# Altium PCB mantarray_beta2_sensor_arrayed.PcbDoc (part 7 of 14)
Units mil, origin at the board's own origin, x right, y up, seen from the top; angles counter-clockwise.
Board outline 6232.47 x 10167.51 mil, 8 copper layers (Layer1_Top, Layer2_sig1, Layer3_AVDD_PLANE, Layer4_GND_PLANE, Layer5_DVDD_PLANE, Layer6_BUS, Layer7_sig2, Layer8_BOT), stack 50.224 mil thick; 470 components, 492 nets, 4650 pads, 3798 vias.
Unrouted connection lines stored in the file: 3.
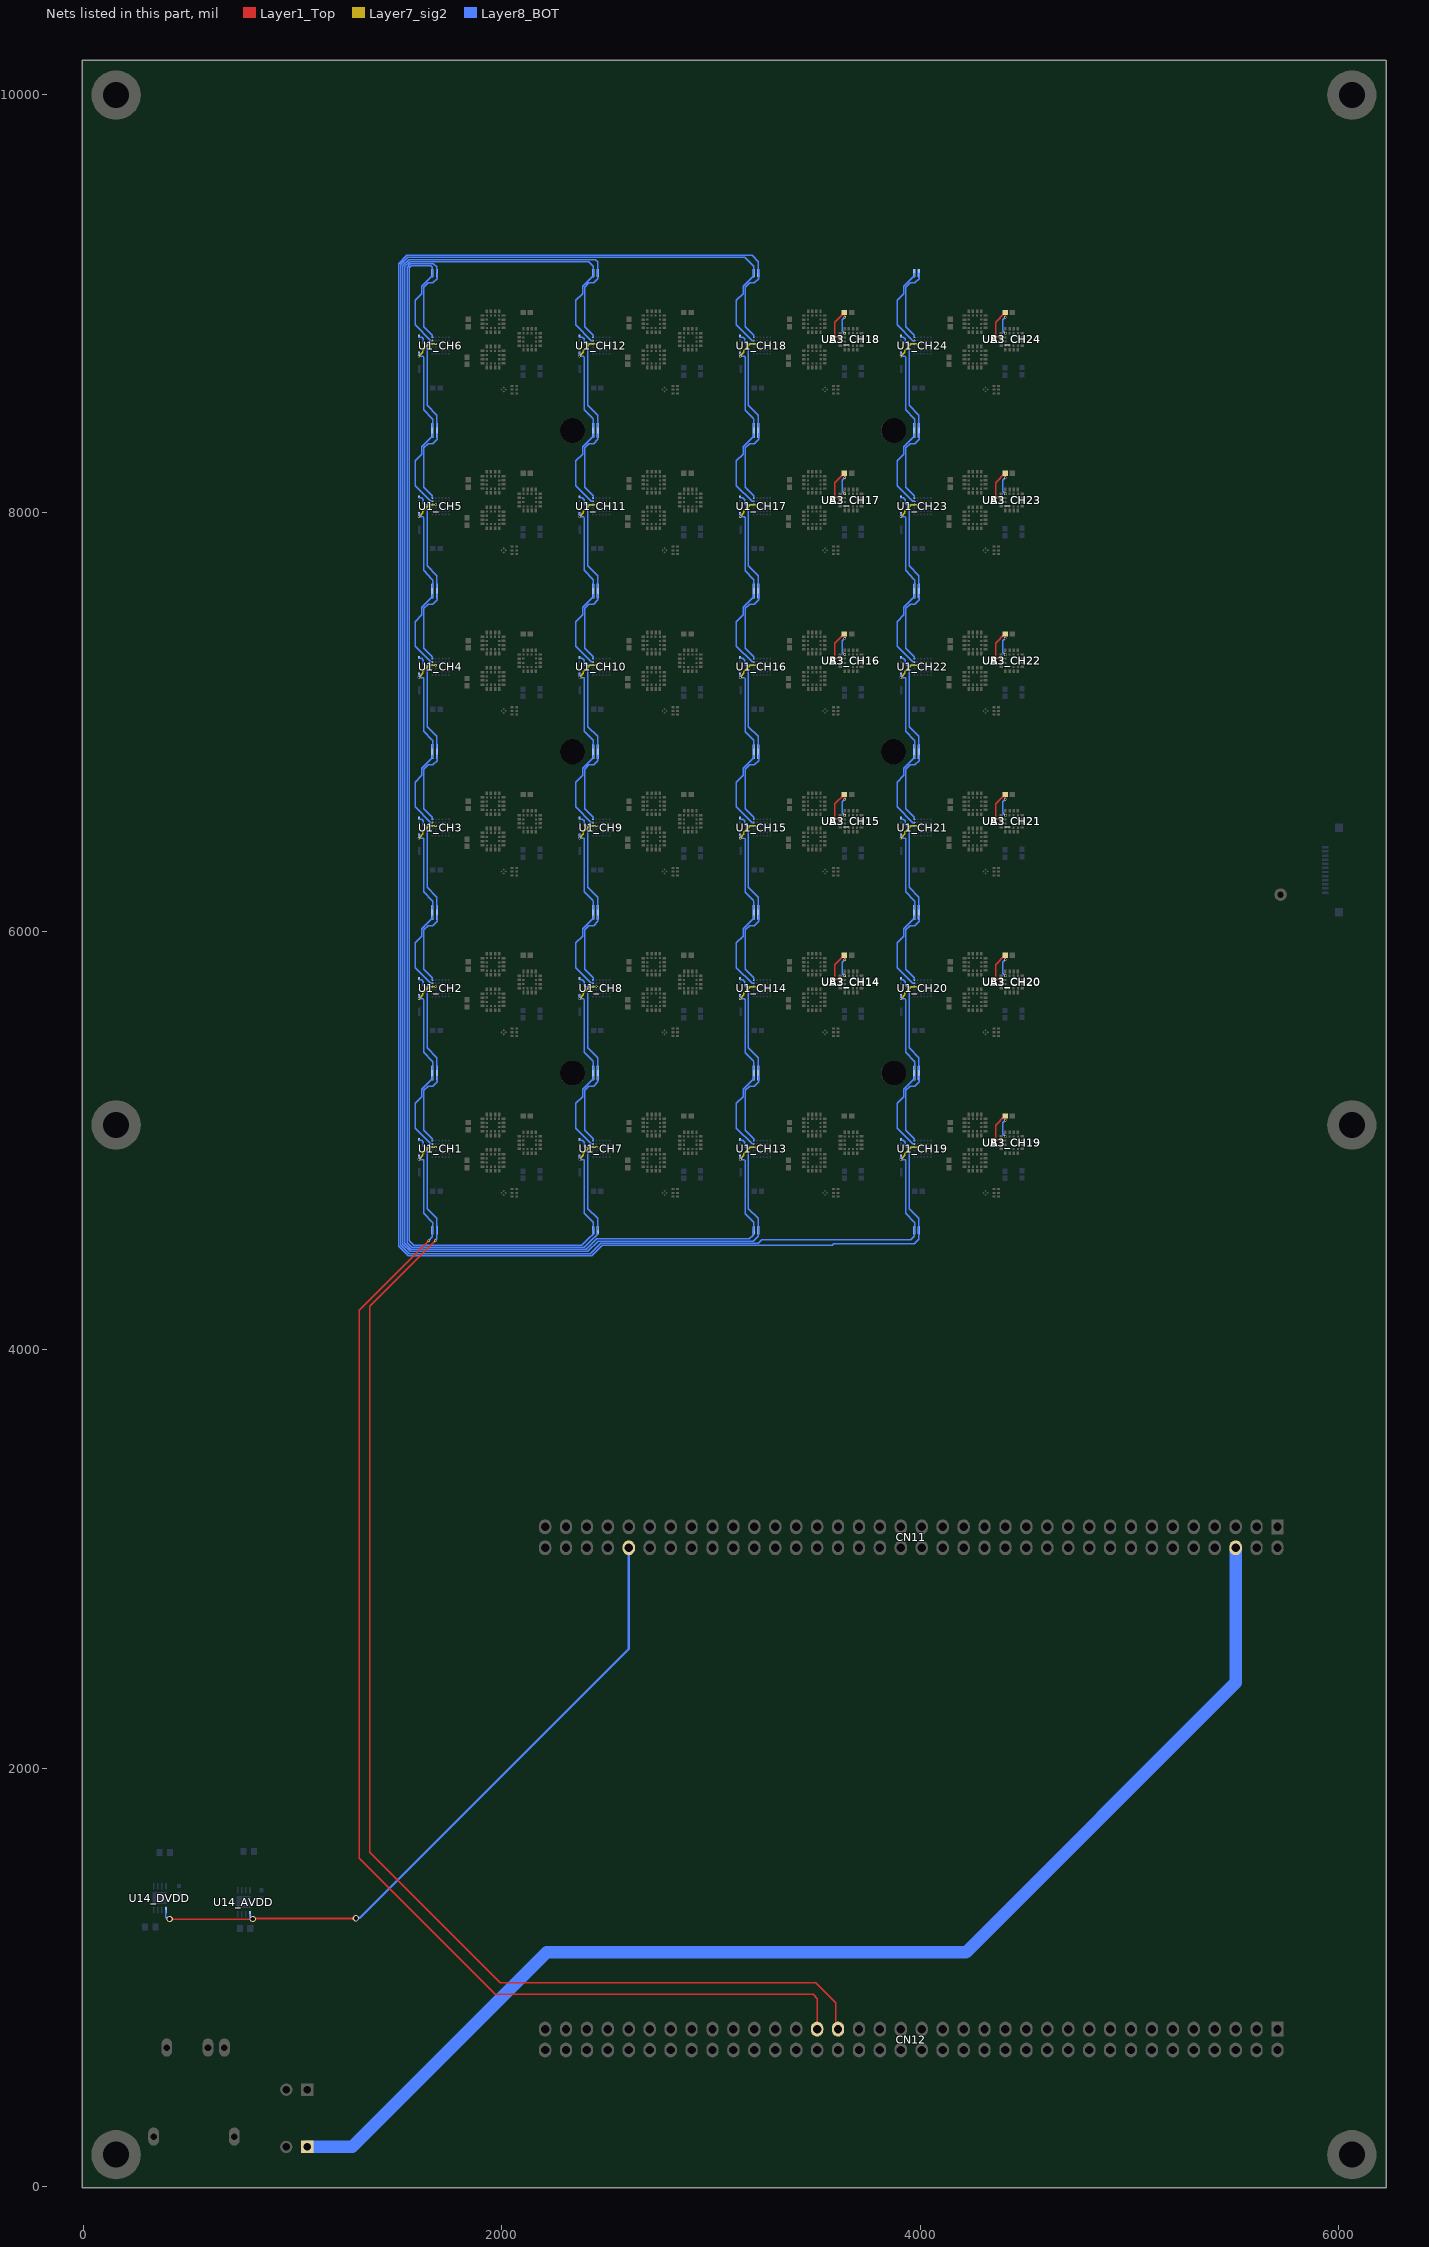
[diagram p13: the nets of this part, all layers, seen from the top]

## Via types
v1: diameter 12/12/12/12/12 (per signal layer), hole 7.87, Layer1_Top to Layer8_BOT, 2208 vias
v2: diameter 32, hole 20, Layer1_Top to Layer8_BOT, 815 vias
v3: diameter 10/10/10/10/10 (per signal layer), hole 7.87, Layer1_Top to Layer8_BOT, 456 vias
v4: diameter 18, hole 8, Layer6_BUS to Layer7_sig2, 102 vias
v5: diameter 10/10 (per signal layer), hole 7.87, Layer7_sig2 to Layer8_BOT, 96 vias
v6: diameter 18, hole 16, Layer1_Top to Layer8_BOT, 57 vias
v7: diameter 12, hole 7.87, Layer1_Top to Layer8_BOT, 26 vias
v8: diameter 18, hole 8, Layer1_Top to Layer8_BOT, 17 vias
v9: diameter 32, hole 16, Layer1_Top to Layer8_BOT, 10 vias
v10: diameter 19.68, hole 7.87, Layer1_Top to Layer8_BOT, 4 vias
v11: diameter 30, hole 20, Layer1_Top to Layer8_BOT, 3 vias
v12: diameter 70.87, hole 47.24, Layer1_Top to Layer8_BOT, 2 vias
v13: diameter 20, hole 16, Layer3_AVDD_PLANE to Layer8_BOT, 1 vias
v14: diameter 20, hole 16, Layer5_DVDD_PLANE to Layer8_BOT, 1 vias

## Nets (pads, with @x,y where several pads share a name; then routed paths per layer and width w, separated by ;. In a path a pad name is that pad's centre, name@x,y a point inside that pad or via, vN(x,y) a via of type N, cw(c..) or ccw(c..) an arc to the next point about the centre after c; other vN are vias at no path point) (continued)
cap_C_CH14: CA9_CH14.2 UA3_CH14.4 UB3_CH14.10 | length 269.7
  Layer1_Top w6: UB3_CH14.10@3619.5,5767.43 3616.31,5770.62 3596.03,5770.62 3592.52,5774.14 3592.52,5840.94 3637.4,5885.83 CA9_CH14.2@3638.19,5885.83 3639.76,5884.25 v1(3639.76,5864.17)
  Layer8_BOT w6: v1(3639.76,5787.4) 3627.95,5799.21 3627.95,5852.36 v1(3639.76,5864.17)
cap_C_CH15: CA9_CH15.2 UA3_CH15.4 UB3_CH15.10 | length 269.7
  Layer1_Top w6: UB3_CH15.10@3619.5,6535.15 3616.31,6538.34 3596.03,6538.34 3592.52,6541.85 3592.52,6608.66 3637.4,6653.54 CA9_CH15.2@3638.19,6653.54 3639.76,6651.97 v1(3639.76,6631.89)
  Layer8_BOT w6: v1(3639.76,6555.12) 3627.95,6566.93 3627.95,6620.08 v1(3639.76,6631.89)
cap_C_CH16: CA9_CH16.2 UA3_CH16.4 UB3_CH16.10 | length 269.7
  Layer1_Top w6: UB3_CH16.10@3619.5,7302.86 3616.31,7306.06 3596.03,7306.06 3592.52,7309.57 3592.52,7376.38 3637.4,7421.26 CA9_CH16.2@3638.19,7421.26 3639.76,7419.69 v1(3639.76,7399.61)
  Layer8_BOT w6: v1(3639.76,7322.83) 3627.95,7334.65 3627.95,7387.8 v1(3639.76,7399.61)
cap_C_CH17: CA9_CH17.2 UA3_CH17.4 UB3_CH17.10 | length 269.7
  Layer1_Top w6: UB3_CH17.10@3619.5,8070.58 3616.31,8073.77 3596.03,8073.77 3592.52,8077.29 3592.52,8144.09 3637.4,8188.98 CA9_CH17.2@3638.19,8188.98 3639.76,8187.4 v1(3639.76,8167.32)
  Layer8_BOT w6: v1(3639.76,8090.55) 3627.95,8102.36 3627.95,8155.51 v1(3639.76,8167.32)
cap_C_CH18: CA9_CH18.2 UA3_CH18.4 UB3_CH18.10 | length 269.7
  Layer1_Top w6: UB3_CH18.10@3619.5,8838.29 3616.31,8841.49 3596.03,8841.49 3592.52,8845 3592.52,8911.81 3637.4,8956.69 CA9_CH18.2@3638.19,8956.69 3639.76,8955.12 v1(3639.76,8935.04)
  Layer8_BOT w6: v1(3639.76,8858.27) 3627.95,8870.08 3627.95,8923.23 v1(3639.76,8935.04)
cap_C_CH19: CA9_CH19.2 UA3_CH19.4 UB3_CH19.10 | length 269.7
  Layer1_Top w6: UB3_CH19.10@4387.22,4999.71 4384.03,5002.91 4363.75,5002.91 4360.24,5006.42 4360.24,5073.23 4405.12,5118.11 CA9_CH19.2@4405.91,5118.11 4407.48,5116.54 v1(4407.48,5096.46)
  Layer8_BOT w6: v1(4407.48,5019.69) 4395.67,5031.5 4395.67,5084.65 v1(4407.48,5096.46)
cap_C_CH20: CA9_CH20.2 UA3_CH20.4 UB3_CH20.10 | length 269.7
  Layer1_Top w6: UB3_CH20.10@4387.22,5767.43 4384.03,5770.62 4363.75,5770.62 4360.24,5774.14 4360.24,5840.94 4405.12,5885.83 CA9_CH20.2@4405.91,5885.83 4407.48,5884.25 v1(4407.48,5864.17)
  Layer8_BOT w6: v1(4407.48,5787.4) 4395.67,5799.21 4395.67,5852.36 v1(4407.48,5864.17)
cap_C_CH21: CA9_CH21.2 UA3_CH21.4 UB3_CH21.10 | length 269.7
  Layer1_Top w6: UB3_CH21.10@4387.22,6535.15 4384.03,6538.34 4363.75,6538.34 4360.24,6541.85 4360.24,6608.66 4405.12,6653.54 CA9_CH21.2@4405.91,6653.54 4407.48,6651.97 v1(4407.48,6631.89)
  Layer8_BOT w6: v1(4407.48,6555.12) 4395.67,6566.93 4395.67,6620.08 v1(4407.48,6631.89)
cap_C_CH22: CA9_CH22.2 UA3_CH22.4 UB3_CH22.10 | length 269.7
  Layer1_Top w6: UB3_CH22.10@4387.22,7302.86 4384.03,7306.06 4363.75,7306.06 4360.24,7309.57 4360.24,7376.38 4405.12,7421.26 CA9_CH22.2@4405.91,7421.26 4407.48,7419.69 v1(4407.48,7399.61)
  Layer8_BOT w6: v1(4407.48,7322.83) 4395.67,7334.65 4395.67,7387.8 v1(4407.48,7399.61)
cap_C_CH23: CA9_CH23.2 UA3_CH23.4 UB3_CH23.10 | length 269.7
  Layer1_Top w6: UB3_CH23.10@4387.22,8070.58 4384.03,8073.77 4363.75,8073.77 4360.24,8077.29 4360.24,8144.09 4405.12,8188.98 CA9_CH23.2@4405.91,8188.98 4407.48,8187.4 v1(4407.48,8167.32)
  Layer8_BOT w6: v1(4407.48,8090.55) 4395.67,8102.36 4395.67,8155.51 v1(4407.48,8167.32)
cap_C_CH24: CA9_CH24.2 UA3_CH24.4 UB3_CH24.10 | length 269.7
  Layer1_Top w6: UB3_CH24.10@4387.22,8838.29 4384.03,8841.49 4363.75,8841.49 4360.24,8845 4360.24,8911.81 4405.12,8956.69 CA9_CH24.2@4405.91,8956.69 4407.48,8955.12 v1(4407.48,8935.04)
  Layer8_BOT w6: v1(4407.48,8858.27) 4395.67,8870.08 4395.67,8923.23 v1(4407.48,8935.04)
CHN_BT0_0: CN12.45 pad.2@1669.29,4570.87 R_rst_CH1.2 U1_CH1.C5 | length 6265.1
  Layer1_Top w6: v7(1651.57,4521.65) 1318.9,4188.98 1318.9,1570.87 1970.47,919.29 3488.19,919.29 3507.48,900 CN12.45@3507.48,753.94
  Layer7_sig2 w6: v3(1604.52,4909.45) 1615.46,4920.39 1615.46,4922.55 1622.05,4929.13 1622.05,4937.01 1653.54,4968.5 v3(1685.04,4968.5)
  Layer8_BOT w6: R_rst_CH1.2@1604.33,4926.18 1604.03,4925.88 1604.03,4912.2 1602.36,4910.53 1602.36,4909.45 1624.44,4909.45 1627.95,4905.93 1627.95,4653.17 1629.61,4651.43 1666.72,4612.55 1670.18,4608.93 1670.12,4606.45 pad.2@1669.29,4570.87 1669.29,4539.37 v7(1651.57,4521.65)
CHN_BT0_1: pad.2@1669.29,5307.09 pad.2@1669.29,5338.58 R_rst_CH2.2 U1_CH1.B6 U1_CH2.C5 | length 904.7
  Layer7_sig2 w6: v3(1604.52,5677.17) 1615.46,5688.11 1615.46,5690.26 1622.05,5696.85 1622.05,5704.72 1653.54,5736.22 v3(1685.04,5736.22)
  Layer8_BOT w6: R_rst_CH2.2@1604.33,5693.9 1604.03,5693.6 1604.03,5679.91 1602.36,5678.25 1602.36,5677.17 1624.44,5677.17 1627.95,5673.65 1627.95,5420.88 1629.61,5419.15 1666.72,5380.27 1670.18,5376.65 1670.12,5374.17 pad.2@1669.29,5338.58 ; U1_CH1.B6@1669.29,4984.25 1661.42,4984.25 1586.61,5059.06 1586.61,5177.17 1618.73,5209.28 1618.73,5244.72 1664.1,5290.09 1666.39,5290.09 1669.29,5292.99 pad.2@1669.29,5307.09
CHN_BT0_2: pad.2@1669.29,6074.8 pad.2@1669.29,6106.3 R_rst_CH3.2 U1_CH2.B6 U1_CH3.C5 | length 904.7
  Layer7_sig2 w6: v3(1604.52,6444.88) 1615.46,6455.82 1615.46,6457.98 1622.05,6464.57 1622.05,6472.44 1653.54,6503.94 v3(1685.04,6503.94)
  Layer8_BOT w6: R_rst_CH3.2@1604.33,6461.61 1604.03,6461.31 1604.03,6447.63 1602.36,6445.96 1602.36,6444.88 1624.44,6444.88 1627.95,6441.37 1627.95,6188.6 1629.61,6186.86 1666.72,6147.98 1670.18,6144.37 1670.12,6141.88 pad.2@1669.29,6106.3 ; U1_CH2.B6@1669.29,5751.97 1661.42,5751.97 1586.61,5826.77 1586.61,5944.88 1618.73,5977 1618.73,6012.43 1664.1,6057.8 1666.39,6057.8 1669.29,6060.71 pad.2@1669.29,6074.8
CHN_BT0_3: pad.2@1669.29,6842.52 pad.2@1669.29,6874.02 R_rst_CH4.2 U1_CH3.B6 U1_CH4.C5 | length 904.7
  Layer7_sig2 w6: v3(1604.52,7212.6) 1615.46,7223.54 1615.46,7225.7 1622.05,7232.28 1622.05,7240.16 1653.54,7271.65 v3(1685.04,7271.65)
  Layer8_BOT w6: R_rst_CH4.2@1604.33,7229.33 1604.03,7229.03 1604.03,7215.35 1602.36,7213.68 1602.36,7212.6 1624.44,7212.6 1627.95,7209.08 1627.95,6956.32 1629.61,6954.58 1666.72,6915.7 1670.18,6912.08 1670.12,6909.6 pad.2@1669.29,6874.02 ; U1_CH3.B6@1669.29,6519.68 1661.42,6519.68 1586.61,6594.49 1586.61,6712.6 1618.73,6744.72 1618.73,6780.15 1664.1,6825.52 1666.39,6825.52 1669.29,6828.43 pad.2@1669.29,6842.52
CHN_BT0_4: pad.2@1669.29,7610.24 pad.2@1669.29,7641.73 R_rst_CH5.2 U1_CH4.B6 U1_CH5.C5 | length 904.7
  Layer7_sig2 w6: v3(1604.52,7980.31) 1615.46,7991.26 1615.46,7993.41 1622.05,8000 1622.05,8007.87 1653.54,8039.37 v3(1685.04,8039.37)
  Layer8_BOT w6: R_rst_CH5.2@1604.33,7997.05 1604.03,7996.75 1604.03,7983.06 1602.36,7981.4 1602.36,7980.31 1624.44,7980.31 1627.95,7976.8 1627.95,7724.03 1629.61,7722.3 1666.72,7683.42 1670.18,7679.8 1670.12,7677.32 pad.2@1669.29,7641.73 ; U1_CH4.B6@1669.29,7287.4 1661.42,7287.4 1586.61,7362.2 1586.61,7480.31 1618.73,7512.43 1618.73,7547.87 1664.1,7593.24 1666.39,7593.24 1669.29,7596.14 pad.2@1669.29,7610.24
CHN_BT0_5: pad.2@1669.29,8377.95 pad.2@1669.29,8409.45 R_rst_CH6.2 U1_CH5.B6 U1_CH6.C5 | length 904.7
  Layer7_sig2 w6: v3(1604.52,8748.03) 1615.46,8758.97 1615.46,8761.13 1622.05,8767.72 1622.05,8775.59 1653.54,8807.09 v3(1685.04,8807.09)
  Layer8_BOT w6: R_rst_CH6.2@1604.33,8764.76 1604.03,8764.46 1604.03,8750.78 1602.36,8749.11 1602.36,8748.03 1624.44,8748.03 1627.95,8744.52 1627.95,8491.75 1629.61,8490.01 1666.72,8451.13 1670.18,8447.52 1670.12,8445.03 pad.2@1669.29,8409.45 ; U1_CH5.B6@1669.29,8055.12 1661.42,8055.12 1586.61,8129.92 1586.61,8248.03 1618.73,8280.15 1618.73,8315.58 1664.1,8360.95 1666.39,8360.95 1669.29,8363.86 pad.2@1669.29,8377.95
CHN_BT0_6: pad.2@1669.29,9145.67 pad.2@2437.01,4570.87 R_rst_CH7.2 U1_CH6.B6 U1_CH7.C5 | length 6621.3
  Layer7_sig2 w6: v3(2372.24,4909.45) 2383.18,4920.39 2383.18,4922.55 2389.76,4929.13 2389.76,4937.01 2421.26,4968.5 v3(2452.76,4968.5)
  Layer8_BOT w6: U1_CH6.B6@1669.29,8822.83 1661.42,8822.83 1586.61,8897.64 1586.61,9015.75 1618.73,9047.87 1618.73,9083.3 1664.1,9128.67 1666.39,9128.67 1669.29,9131.57 pad.2@1669.29,9145.67 1669.29,9173.23 1662.2,9180.32 1567.95,9180.32 1559.06,9171.42 1559.06,4521.65 1580.71,4500 2383.68,4500 2419.29,4535.62 2434.1,4550.43 pad.2@2434.1,4567.96 ; R_rst_CH7.2@2372.05,4926.18 2371.75,4925.88 2371.75,4912.2 2370.08,4910.53 2370.08,4909.45 2392.15,4909.45 2395.67,4905.93 2395.67,4653.17 2397.33,4651.43 2434.44,4612.55 2437.89,4608.93 2437.84,4606.45 pad.2@2437.01,4570.87
CHN_BT0_7: pad.2@2437.01,5307.09 pad.2@2437.01,5338.58 R_rst_CH8.2 U1_CH7.B6 U1_CH8.C5 | length 904.7
  Layer7_sig2 w6: v3(2372.24,5677.17) 2383.18,5688.11 2383.18,5690.26 2389.76,5696.85 2389.76,5704.72 2421.26,5736.22 v3(2452.76,5736.22)
  Layer8_BOT w6: R_rst_CH8.2@2372.05,5693.9 2371.75,5693.6 2371.75,5679.91 2370.08,5678.25 2370.08,5677.17 2392.15,5677.17 2395.67,5673.65 2395.67,5420.88 2397.33,5419.15 2434.44,5380.27 2437.89,5376.65 2437.84,5374.17 pad.2@2437.01,5338.58 ; U1_CH7.B6@2437.01,4984.25 2429.13,4984.25 2354.33,5059.06 2354.33,5177.17 2386.45,5209.28 2386.45,5244.72 2431.82,5290.09 2434.1,5290.09 2437.01,5292.99 pad.2@2437.01,5307.09
CHN_BT0_8: pad.2@2437.01,6074.8 pad.2@2437.01,6106.3 R_rst_CH9.2 U1_CH8.B6 U1_CH9.C5 | length 904.7
  Layer7_sig2 w6: v3(2372.24,6444.88) 2383.18,6455.82 2383.18,6457.98 2389.76,6464.57 2389.76,6472.44 2421.26,6503.94 v3(2452.76,6503.94)
  Layer8_BOT w6: R_rst_CH9.2@2372.05,6461.61 2371.75,6461.31 2371.75,6447.63 2370.08,6445.96 2370.08,6444.88 2392.15,6444.88 2395.67,6441.37 2395.67,6188.6 2397.33,6186.86 2434.44,6147.98 2437.89,6144.37 2437.84,6141.88 pad.2@2437.01,6106.3 ; U1_CH8.B6@2437.01,5751.97 2429.13,5751.97 2354.33,5826.77 2354.33,5944.88 2386.45,5977 2386.45,6012.43 2431.82,6057.8 2434.1,6057.8 2437.01,6060.71 pad.2@2437.01,6074.8
CHN_BT0_9: pad.2@2437.01,6842.52 pad.2@2437.01,6874.02 R_rst_CH10.2 U1_CH9.B6 U1_CH10.C5 | length 904.7
  Layer7_sig2 w6: v3(2372.24,7212.6) 2383.18,7223.54 2383.18,7225.7 2389.76,7232.28 2389.76,7240.16 2421.26,7271.65 v3(2452.76,7271.65)
  Layer8_BOT w6: R_rst_CH10.2@2372.05,7229.33 2371.75,7229.03 2371.75,7215.35 2370.08,7213.68 2370.08,7212.6 2392.15,7212.6 2395.67,7209.08 2395.67,6956.32 2397.33,6954.58 2434.44,6915.7 2437.89,6912.08 2437.84,6909.6 pad.2@2437.01,6874.02 ; U1_CH9.B6@2437.01,6519.68 2429.13,6519.68 2354.33,6594.49 2354.33,6712.6 2386.45,6744.72 2386.45,6780.15 2431.82,6825.52 2434.1,6825.52 2437.01,6828.43 pad.2@2437.01,6842.52
CHN_BT0_10: pad.2@2437.01,7610.24 pad.2@2437.01,7641.73 R_rst_CH11.2 U1_CH10.B6 U1_CH11.C5 | length 904.7
  Layer7_sig2 w6: v3(2372.24,7980.31) 2383.18,7991.26 2383.18,7993.41 2389.76,8000 2389.76,8007.87 2421.26,8039.37 v3(2452.76,8039.37)
  Layer8_BOT w6: R_rst_CH11.2@2372.05,7997.05 2371.75,7996.75 2371.75,7983.06 2370.08,7981.4 2370.08,7980.31 2392.15,7980.31 2395.67,7976.8 2395.67,7724.03 2397.33,7722.3 2434.44,7683.42 2437.89,7679.8 2437.84,7677.32 pad.2@2437.01,7641.73 ; U1_CH10.B6@2437.01,7287.4 2429.13,7287.4 2354.33,7362.2 2354.33,7480.31 2386.45,7512.43 2386.45,7547.87 2431.82,7593.24 2434.1,7593.24 2437.01,7596.14 pad.2@2437.01,7610.24
CHN_BT0_11: pad.2@2437.01,8377.95 pad.2@2437.01,8409.45 R_rst_CH12.2 U1_CH11.B6 U1_CH12.C5 | length 904.7
  Layer7_sig2 w6: v3(2372.24,8748.03) 2383.18,8758.97 2383.18,8761.13 2389.76,8767.72 2389.76,8775.59 2421.26,8807.09 v3(2452.76,8807.09)
  Layer8_BOT w6: R_rst_CH12.2@2372.05,8764.76 2371.75,8764.46 2371.75,8750.78 2370.08,8749.11 2370.08,8748.03 2392.15,8748.03 2395.67,8744.52 2395.67,8491.75 2397.33,8490.01 2434.44,8451.13 2437.89,8447.52 2437.84,8445.03 pad.2@2437.01,8409.45 ; U1_CH11.B6@2437.01,8055.12 2429.13,8055.12 2354.33,8129.92 2354.33,8248.03 2386.45,8280.15 2386.45,8315.58 2431.82,8360.95 2434.1,8360.95 2437.01,8363.86 pad.2@2437.01,8377.95
CHN_BT0_12: pad.2@2437.01,9145.67 pad.2@3204.72,4570.87 R_rst_CH13.2 U1_CH12.B6 U1_CH13.C5 | length 8249.2
  Layer7_sig2 w6: v3(3139.95,4909.45) 3150.89,4920.39 3150.89,4922.55 3157.48,4929.13 3157.48,4937.01 3188.98,4968.5 v3(3220.47,4968.5)
  Layer8_BOT w6: U1_CH12.B6@2437.01,8822.83 2429.13,8822.83 2354.33,8897.64 2354.33,9015.75 2386.45,9047.87 2386.45,9083.3 2431.82,9128.67 2434.1,9128.67 2437.01,9131.57 pad.2@2437.01,9145.67 2437.01,9179.08 2415.78,9200.32 1559.67,9200.32 1537.87,9178.52 1537.87,4508.49 1566.36,4480 2403.23,4480 2453.23,4530 3183.49,4530 3202.09,4548.6 pad.2@3202.09,4568.23 ; R_rst_CH13.2@3139.76,4926.18 3139.46,4925.88 3139.46,4912.2 3137.8,4910.53 3137.8,4909.45 3159.87,4909.45 3163.39,4905.93 3163.39,4653.17 3165.05,4651.43 3202.16,4612.55 3205.61,4608.93 3205.55,4606.45 pad.2@3204.72,4570.87
CHN_BT0_13: pad.2@3204.72,5307.09 pad.2@3204.72,5338.58 R_rst_CH14.2 U1_CH13.B6 U1_CH14.C5 | length 904.7
  Layer7_sig2 w6: v3(3139.95,5677.17) 3150.89,5688.11 3150.89,5690.26 3157.48,5696.85 3157.48,5704.72 3188.98,5736.22 v3(3220.47,5736.22)
  Layer8_BOT w6: R_rst_CH14.2@3139.76,5693.9 3139.46,5693.6 3139.46,5679.91 3137.8,5678.25 3137.8,5677.17 3159.87,5677.17 3163.39,5673.65 3163.39,5420.88 3165.05,5419.15 3202.16,5380.27 3205.61,5376.65 3205.55,5374.17 pad.2@3204.72,5338.58 ; U1_CH13.B6@3204.72,4984.25 3196.85,4984.25 3122.05,5059.06 3122.05,5177.17 3154.17,5209.28 3154.17,5244.72 3199.54,5290.09 3201.82,5290.09 3204.72,5292.99 pad.2@3204.72,5307.09
CHN_BT0_14: pad.2@3204.72,6074.8 pad.2@3204.72,6106.3 R_rst_CH15.2 U1_CH14.B6 U1_CH15.C5 | length 904.7
  Layer7_sig2 w6: v3(3139.95,6444.88) 3150.89,6455.82 3150.89,6457.98 3157.48,6464.57 3157.48,6472.44 3188.98,6503.94 v3(3220.47,6503.94)
  Layer8_BOT w6: R_rst_CH15.2@3139.76,6461.61 3139.46,6461.31 3139.46,6447.63 3137.8,6445.96 3137.8,6444.88 3159.87,6444.88 3163.39,6441.37 3163.39,6188.6 3165.05,6186.86 3202.16,6147.98 3205.61,6144.37 3205.55,6141.88 pad.2@3204.72,6106.3 ; U1_CH14.B6@3204.72,5751.97 3196.85,5751.97 3122.05,5826.77 3122.05,5944.88 3154.17,5977 3154.17,6012.43 3199.54,6057.8 3201.82,6057.8 3204.72,6060.71 pad.2@3204.72,6074.8
CHN_BT0_15: pad.2@3204.72,6842.52 pad.2@3204.72,6874.02 R_rst_CH16.2 U1_CH15.B6 U1_CH16.C5 | length 904.7
  Layer7_sig2 w6: v3(3139.95,7212.6) 3150.89,7223.54 3150.89,7225.7 3157.48,7232.28 3157.48,7240.16 3188.98,7271.65 v3(3220.47,7271.65)
  Layer8_BOT w6: R_rst_CH16.2@3139.76,7229.33 3139.46,7229.03 3139.46,7215.35 3137.8,7213.68 3137.8,7212.6 3159.87,7212.6 3163.39,7209.08 3163.39,6956.32 3165.05,6954.58 3202.16,6915.7 3205.61,6912.08 3205.55,6909.6 pad.2@3204.72,6874.02 ; U1_CH15.B6@3204.72,6519.68 3196.85,6519.68 3122.05,6594.49 3122.05,6712.6 3154.17,6744.72 3154.17,6780.15 3199.54,6825.52 3201.82,6825.52 3204.72,6828.43 pad.2@3204.72,6842.52
CHN_BT0_16: pad.2@3204.72,7610.24 pad.2@3204.72,7641.73 R_rst_CH17.2 U1_CH16.B6 U1_CH17.C5 | length 904.7
  Layer7_sig2 w6: v3(3139.95,7980.31) 3150.89,7991.26 3150.89,7993.41 3157.48,8000 3157.48,8007.87 3188.98,8039.37 v3(3220.47,8039.37)
  Layer8_BOT w6: R_rst_CH17.2@3139.76,7997.05 3139.46,7996.75 3139.46,7983.06 3137.8,7981.4 3137.8,7980.31 3159.87,7980.31 3163.39,7976.8 3163.39,7724.03 3165.05,7722.3 3202.16,7683.42 3205.61,7679.8 3205.55,7677.32 pad.2@3204.72,7641.73 ; U1_CH16.B6@3204.72,7287.4 3196.85,7287.4 3122.05,7362.2 3122.05,7480.31 3154.17,7512.43 3154.17,7547.87 3199.54,7593.24 3201.82,7593.24 3204.72,7596.14 pad.2@3204.72,7610.24
CHN_BT0_17: pad.2@3204.72,8377.95 pad.2@3204.72,8409.45 R_rst_CH18.2 U1_CH17.B6 U1_CH18.C5 | length 904.7
  Layer7_sig2 w6: v3(3139.95,8748.03) 3150.89,8758.97 3150.89,8761.13 3157.48,8767.72 3157.48,8775.59 3188.98,8807.09 v3(3220.47,8807.09)
  Layer8_BOT w6: R_rst_CH18.2@3139.76,8764.76 3139.46,8764.46 3139.46,8750.78 3137.8,8749.11 3137.8,8748.03 3159.87,8748.03 3163.39,8744.52 3163.39,8491.75 3165.05,8490.01 3202.16,8451.13 3205.61,8447.52 3205.55,8445.03 pad.2@3204.72,8409.45 ; U1_CH17.B6@3204.72,8055.12 3196.85,8055.12 3122.05,8129.92 3122.05,8248.03 3154.17,8280.15 3154.17,8315.58 3199.54,8360.95 3201.82,8360.95 3204.72,8363.86 pad.2@3204.72,8377.95
CHN_BT0_18: pad.2@3204.72,9145.67 pad.2@3972.44,4570.87 R_rst_CH19.2 U1_CH18.B6 U1_CH19.C5 | length 9874.6
  Layer7_sig2 w6: v3(3907.67,4909.45) 3918.61,4920.39 3918.61,4922.55 3925.2,4929.13 3925.2,4937.01 3956.69,4968.5 v3(3988.19,4968.5)
  Layer8_BOT w6: U1_CH18.B6@3204.72,8822.83 3196.85,8822.83 3122.05,8897.64 3122.05,9015.75 3154.17,9047.87 3154.17,9083.3 3199.54,9128.67 3201.82,9128.67 3204.72,9131.57 pad.2@3204.72,9145.67 3204.72,9177.17 3161.57,9220.32 1551.39,9220.32 1517.87,9186.8 1517.87,4500.21 1558.08,4460 2422.6,4460 2472.6,4510 3226.54,4510 3242.33,4525.8 3954.72,4525.8 3972.44,4543.51 pad.2@3972.44,4570.87 3973.27,4606.45 3973.33,4608.93 3969.87,4612.55 3932.76,4651.43 3931.1,4653.17 3931.1,4905.93 3927.59,4909.45 3905.51,4909.45 3905.51,4910.53 3907.18,4912.2 3907.18,4925.88 R_rst_CH19.2@3907.48,4926.18
CHN_BT0_19: pad.2@3972.44,5307.09 pad.2@3972.44,5338.58 R_rst_CH20.2 U1_CH19.B6 U1_CH20.C5 | length 904.7
  Layer7_sig2 w6: v3(3907.67,5677.17) 3918.61,5688.11 3918.61,5690.26 3925.2,5696.85 3925.2,5704.72 3956.69,5736.22 v3(3988.19,5736.22)
  Layer8_BOT w6: R_rst_CH20.2@3907.48,5693.9 3907.18,5693.6 3907.18,5679.91 3905.51,5678.25 3905.51,5677.17 3927.59,5677.17 3931.1,5673.65 3931.1,5420.88 3932.76,5419.15 3969.87,5380.27 3973.33,5376.65 3973.27,5374.17 pad.2@3972.44,5338.58 ; U1_CH19.B6@3972.44,4984.25 3964.57,4984.25 3889.76,5059.06 3889.76,5177.17 3921.88,5209.28 3921.88,5244.72 3967.25,5290.09 3969.54,5290.09 3972.44,5292.99 pad.2@3972.44,5307.09
CHN_BT0_20: pad.2@3972.44,6074.8 pad.2@3972.44,6106.3 R_rst_CH21.2 U1_CH20.B6 U1_CH21.C5 | length 904.7
  Layer7_sig2 w6: v3(3907.67,6444.88) 3918.61,6455.82 3918.61,6457.98 3925.2,6464.57 3925.2,6472.44 3956.69,6503.94 v3(3988.19,6503.94)
  Layer8_BOT w6: R_rst_CH21.2@3907.48,6461.61 3907.18,6461.31 3907.18,6447.63 3905.51,6445.96 3905.51,6444.88 3927.59,6444.88 3931.1,6441.37 3931.1,6188.6 3932.76,6186.86 3969.87,6147.98 3973.33,6144.37 3973.27,6141.88 pad.2@3972.44,6106.3 ; U1_CH20.B6@3972.44,5751.97 3964.57,5751.97 3889.76,5826.77 3889.76,5944.88 3921.88,5977 3921.88,6012.43 3967.25,6057.8 3969.54,6057.8 3972.44,6060.71 pad.2@3972.44,6074.8
CHN_BT0_21: pad.2@3972.44,6842.52 pad.2@3972.44,6874.02 R_rst_CH22.2 U1_CH21.B6 U1_CH22.C5 | length 904.7
  Layer7_sig2 w6: v3(3907.67,7212.6) 3918.61,7223.54 3918.61,7225.7 3925.2,7232.28 3925.2,7240.16 3956.69,7271.65 v3(3988.19,7271.65)
  Layer8_BOT w6: R_rst_CH22.2@3907.48,7229.33 3907.18,7229.03 3907.18,7215.35 3905.51,7213.68 3905.51,7212.6 3927.59,7212.6 3931.1,7209.08 3931.1,6956.32 3932.76,6954.58 3969.87,6915.7 3973.33,6912.08 3973.27,6909.6 pad.2@3972.44,6874.02 ; U1_CH21.B6@3972.44,6519.68 3964.57,6519.68 3889.76,6594.49 3889.76,6712.6 3921.88,6744.72 3921.88,6780.15 3967.25,6825.52 3969.54,6825.52 3972.44,6828.43 pad.2@3972.44,6842.52
CHN_BT0_22: pad.2@3972.44,7610.24 pad.2@3972.44,7641.73 R_rst_CH23.2 U1_CH22.B6 U1_CH23.C5 | length 904.7
  Layer7_sig2 w6: v3(3907.67,7980.31) 3918.61,7991.26 3918.61,7993.41 3925.2,8000 3925.2,8007.87 3956.69,8039.37 v3(3988.19,8039.37)
  Layer8_BOT w6: R_rst_CH23.2@3907.48,7997.05 3907.18,7996.75 3907.18,7983.06 3905.51,7981.4 3905.51,7980.31 3927.59,7980.31 3931.1,7976.8 3931.1,7724.03 3932.76,7722.3 3969.87,7683.42 3973.33,7679.8 3973.27,7677.32 pad.2@3972.44,7641.73 ; U1_CH22.B6@3972.44,7287.4 3964.57,7287.4 3889.76,7362.2 3889.76,7480.31 3921.88,7512.43 3921.88,7547.87 3967.25,7593.24 3969.54,7593.24 3972.44,7596.14 pad.2@3972.44,7610.24
CHN_BT0_23: pad.2@3972.44,8377.95 pad.2@3972.44,8409.45 R_rst_CH24.2 U1_CH23.B6 U1_CH24.C5 | length 904.7
  Layer7_sig2 w6: v3(3907.67,8748.03) 3918.61,8758.97 3918.61,8761.13 3925.2,8767.72 3925.2,8775.59 3956.69,8807.09 v3(3988.19,8807.09)
  Layer8_BOT w6: R_rst_CH24.2@3907.48,8764.76 3907.18,8764.46 3907.18,8750.78 3905.51,8749.11 3905.51,8748.03 3927.59,8748.03 3931.1,8744.52 3931.1,8491.75 3932.76,8490.01 3969.87,8451.13 3973.33,8447.52 3973.27,8445.03 pad.2@3972.44,8409.45 ; U1_CH23.B6@3972.44,8055.12 3964.57,8055.12 3889.76,8129.92 3889.76,8248.03 3921.88,8280.15 3921.88,8315.58 3967.25,8360.95 3969.54,8360.95 3972.44,8363.86 pad.2@3972.44,8377.95
CHN_IN_RST: CN12.43 pad.2@1690.94,4570.87 R_bt0_CH1.2 U1_CH1.C6 | length 6265.9
  Layer1_Top w6: v7(1683.07,4521.65) 1370.08,4208.66 1370.08,1598.43 1994.09,974.41 3501.97,974.41 3597.48,878.9 3597.48,763.94 CN12.43@3607.48,753.94
  Layer8_BOT w6: R_bt0_CH1.2@1604.33,5000.98 1617.13,5000.98 1625.98,4992.13 1625.98,4974.41 1631.89,4968.5 1643.7,4968.5 ; U1_CH1.C6@1669.29,4968.5 1643.7,4968.5 ; v7(1683.07,4521.65) 1683.07,4523.28 1690.94,4531.15 pad.2@1690.94,4570.87 1690.94,4627.95 1643.7,4675.2 1643.7,4968.5
CHN_IN_RST_CH2: pad.2@1690.94,5307.09 pad.2@1690.94,5338.58 R_bt0_CH2.2 U1_CH1.A6 U1_CH2.C6 | length 869.6
  Layer8_BOT w6: R_bt0_CH2.2@1604.33,5768.7 1617.13,5768.7 1625.98,5759.84 1625.98,5742.13 1631.89,5736.22 1643.7,5736.22 ; U1_CH1.A6@1669.29,5000 1669.29,5009.84 1628.73,5050.4 1628.73,5239.54 1649.03,5259.84 1671.26,5259.84 1692.05,5280.64 1692.05,5305.98 pad.2@1690.94,5307.09 ; U1_CH2.C6@1669.29,5736.22 1643.7,5736.22 ; pad.2@1690.94,5338.58 1690.94,5395.67 1643.7,5442.91 1643.7,5736.22
CHN_IN_RST_CH3: pad.2@1690.94,6074.8 pad.2@1690.94,6106.3 R_bt0_CH3.2 U1_CH2.A6 U1_CH3.C6 | length 869.6
  Layer8_BOT w6: R_bt0_CH3.2@1604.33,6536.42 1617.13,6536.42 1625.98,6527.56 1625.98,6509.84 1631.89,6503.94 1643.7,6503.94 ; U1_CH2.A6@1669.29,5767.72 1669.29,5777.56 1628.73,5818.12 1628.73,6007.26 1649.03,6027.56 1671.26,6027.56 1692.05,6048.35 1692.05,6073.69 pad.2@1690.94,6074.8 ; U1_CH3.C6@1669.29,6503.94 1643.7,6503.94 ; pad.2@1690.94,6106.3 1690.94,6163.39 1643.7,6210.63 1643.7,6503.94
CHN_IN_RST_CH4: pad.2@1690.94,6842.52 pad.2@1690.94,6874.02 R_bt0_CH4.2 U1_CH3.A6 U1_CH4.C6 | length 869.6
  Layer8_BOT w6: R_bt0_CH4.2@1604.33,7304.13 1617.13,7304.13 1625.98,7295.28 1625.98,7277.56 1631.89,7271.65 1643.7,7271.65 ; U1_CH3.A6@1669.29,6535.43 1669.29,6545.28 1628.73,6585.83 1628.73,6774.98 1649.03,6795.28 1671.26,6795.28 1692.05,6816.07 1692.05,6841.41 pad.2@1690.94,6842.52 ; U1_CH4.C6@1669.29,7271.65 1643.7,7271.65 ; pad.2@1690.94,6874.02 1690.94,6931.1 1643.7,6978.35 1643.7,7271.65
CHN_IN_RST_CH5: pad.2@1690.94,7610.24 pad.2@1690.94,7641.73 R_bt0_CH5.2 U1_CH4.A6 U1_CH5.C6 | length 869.6
  Layer8_BOT w6: R_bt0_CH5.2@1604.33,8071.85 1617.13,8071.85 1625.98,8062.99 1625.98,8045.28 1631.89,8039.37 1643.7,8039.37 ; U1_CH4.A6@1669.29,7303.15 1669.29,7312.99 1628.73,7353.55 1628.73,7542.69 1649.03,7562.99 1671.26,7562.99 1692.05,7583.79 1692.05,7609.13 pad.2@1690.94,7610.24 ; U1_CH5.C6@1669.29,8039.37 1643.7,8039.37 ; pad.2@1690.94,7641.73 1690.94,7698.82 1643.7,7746.06 1643.7,8039.37
CHN_IN_RST_CH6: pad.2@1690.94,8377.95 pad.2@1690.94,8409.45 R_bt0_CH6.2 U1_CH5.A6 U1_CH6.C6 | length 869.6
  Layer8_BOT w6: R_bt0_CH6.2@1604.33,8839.57 1617.13,8839.57 1625.98,8830.71 1625.98,8812.99 1631.89,8807.09 1643.7,8807.09 ; U1_CH5.A6@1669.29,8070.87 1669.29,8080.71 1628.73,8121.27 1628.73,8310.41 1649.03,8330.71 1671.26,8330.71 1692.05,8351.5 1692.05,8376.84 pad.2@1690.94,8377.95 ; U1_CH6.C6@1669.29,8807.09 1643.7,8807.09 ; pad.2@1690.94,8409.45 1690.94,8466.54 1643.7,8513.78 1643.7,8807.09
CHN_IN_RST_CH7: pad.2@1690.94,9145.67 pad.2@2458.66,4570.87 R_bt0_CH7.2 U1_CH6.A6 U1_CH7.C6 | length 6662.4
  Layer8_BOT w6: U1_CH6.A6@1669.29,8838.58 1669.29,8848.43 1628.73,8888.98 1628.73,9078.13 1649.03,9098.43 1671.26,9098.43 1692.05,9119.22 1692.05,9144.56 pad.2@1690.94,9145.67 ; pad.2@1688.98,9147.64 1688.98,9174.67 1673.33,9190.32 1563.81,9190.32 1547.87,9174.38 1547.87,4512.63 1570.51,4490 2395.3,4490 2425.45,4520.16 2455.76,4550.46 2455.76,4553.87 pad.2@2458.66,4556.77 ; R_bt0_CH7.2@2372.05,5000.98 2384.84,5000.98 2393.7,4992.13 2393.7,4974.41 2399.61,4968.5 2411.42,4968.5 ; U1_CH7.C6@2437.01,4968.5 2411.42,4968.5 ; pad.2@2458.66,4570.87 2458.66,4627.95 2411.42,4675.2 2411.42,4968.5
CHN_IN_RST_CH8: pad.2@2458.66,5307.09 pad.2@2458.66,5338.58 R_bt0_CH8.2 U1_CH7.A6 U1_CH8.C6 | length 869.6
  Layer8_BOT w6: R_bt0_CH8.2@2372.05,5768.7 2384.84,5768.7 2393.7,5759.84 2393.7,5742.13 2399.61,5736.22 2411.42,5736.22 ; U1_CH7.A6@2437.01,5000 2437.01,5009.84 2396.45,5050.4 2396.45,5239.54 2416.75,5259.84 2438.98,5259.84 2459.77,5280.64 2459.77,5305.98 pad.2@2458.66,5307.09 ; U1_CH8.C6@2437.01,5736.22 2411.42,5736.22 ; pad.2@2458.66,5338.58 2458.66,5395.67 2411.42,5442.91 2411.42,5736.22
CHN_IN_RST_CH9: pad.2@2458.66,6074.8 pad.2@2458.66,6106.3 R_bt0_CH9.2 U1_CH8.A6 U1_CH9.C6 | length 869.6
  Layer8_BOT w6: R_bt0_CH9.2@2372.05,6536.42 2384.84,6536.42 2393.7,6527.56 2393.7,6509.84 2399.61,6503.94 2411.42,6503.94 ; U1_CH8.A6@2437.01,5767.72 2437.01,5777.56 2396.45,5818.12 2396.45,6007.26 2416.75,6027.56 2438.98,6027.56 2459.77,6048.35 2459.77,6073.69 pad.2@2458.66,6074.8 ; U1_CH9.C6@2437.01,6503.94 2411.42,6503.94 ; pad.2@2458.66,6106.3 2458.66,6163.39 2411.42,6210.63 2411.42,6503.94
CHN_IN_RST_CH10: pad.2@2458.66,6842.52 pad.2@2458.66,6874.02 R_bt0_CH10.2 U1_CH9.A6 U1_CH10.C6 | length 869.6
  Layer8_BOT w6: R_bt0_CH10.2@2372.05,7304.13 2384.84,7304.13 2393.7,7295.28 2393.7,7277.56 2399.61,7271.65 2411.42,7271.65 ; U1_CH9.A6@2437.01,6535.43 2437.01,6545.28 2396.45,6585.83 2396.45,6774.98 2416.75,6795.28 2438.98,6795.28 2459.77,6816.07 2459.77,6841.41 pad.2@2458.66,6842.52 ; U1_CH10.C6@2437.01,7271.65 2411.42,7271.65 ; pad.2@2458.66,6874.02 2458.66,6931.1 2411.42,6978.35 2411.42,7271.65
CHN_IN_RST_CH11: pad.2@2458.66,7610.24 pad.2@2458.66,7641.73 R_bt0_CH11.2 U1_CH10.A6 U1_CH11.C6 | length 869.6
  Layer8_BOT w6: R_bt0_CH11.2@2372.05,8071.85 2384.84,8071.85 2393.7,8062.99 2393.7,8045.28 2399.61,8039.37 2411.42,8039.37 ; U1_CH10.A6@2437.01,7303.15 2437.01,7312.99 2396.45,7353.55 2396.45,7542.69 2416.75,7562.99 2438.98,7562.99 2459.77,7583.79 2459.77,7609.13 pad.2@2458.66,7610.24 ; U1_CH11.C6@2437.01,8039.37 2411.42,8039.37 ; pad.2@2458.66,7641.73 2458.66,7698.82 2411.42,7746.06 2411.42,8039.37
CHN_IN_RST_CH12: pad.2@2458.66,8377.95 pad.2@2458.66,8409.45 R_bt0_CH12.2 U1_CH11.A6 U1_CH12.C6 | length 869.6
  Layer8_BOT w6: R_bt0_CH12.2@2372.05,8839.57 2384.84,8839.57 2393.7,8830.71 2393.7,8812.99 2399.61,8807.09 2411.42,8807.09 ; U1_CH11.A6@2437.01,8070.87 2437.01,8080.71 2396.45,8121.27 2396.45,8310.41 2416.75,8330.71 2438.98,8330.71 2459.77,8351.5 2459.77,8376.84 pad.2@2458.66,8377.95 ; U1_CH12.C6@2437.01,8807.09 2411.42,8807.09 ; pad.2@2458.66,8409.45 2458.66,8466.54 2411.42,8513.78 2411.42,8807.09
CHN_IN_RST_CH13: pad.2@2458.66,9145.67 pad.2@3226.38,4570.87 R_bt0_CH13.2 U1_CH12.A6 U1_CH13.C6 | length 8318.7
  Layer8_BOT w6: U1_CH12.A6@2437.01,8838.58 2437.01,8848.43 2396.45,8888.98 2396.45,9078.13 2416.75,9098.43 2438.98,9098.43 2459.77,9119.22 2459.77,9144.56 pad.2@2458.66,9145.67 2458.66,9198.93 2447.27,9210.32 1555.53,9210.32 1527.87,9182.66 1527.87,4504.35 1562.22,4470 2410.94,4470 2460.94,4520 3202.89,4520 3226.38,4543.49 pad.2@3226.38,4570.87 3226.38,4627.95 3179.13,4675.2 3179.13,4968.5 ; R_bt0_CH13.2@3139.76,5000.98 3152.56,5000.98 3161.42,4992.13 3161.42,4974.41 3167.32,4968.5 3179.13,4968.5 ; U1_CH13.C6@3204.72,4968.5 3179.13,4968.5
CHN_IN_RST_CH14: pad.2@3226.38,5307.09 pad.2@3226.38,5338.58 R_bt0_CH14.2 U1_CH13.A6 U1_CH14.C6 | length 869.6
  Layer8_BOT w6: R_bt0_CH14.2@3139.76,5768.7 3152.56,5768.7 3161.42,5759.84 3161.42,5742.13 3167.32,5736.22 3179.13,5736.22 ; U1_CH13.A6@3204.72,5000 3204.72,5009.84 3164.17,5050.4 3164.17,5239.54 3184.47,5259.84 3206.69,5259.84 3227.49,5280.64 3227.49,5305.98 pad.2@3226.38,5307.09 ; U1_CH14.C6@3204.72,5736.22 3179.13,5736.22 ; pad.2@3226.38,5338.58 3226.38,5395.67 3179.13,5442.91 3179.13,5736.22
CHN_IN_RST_CH15: pad.2@3226.38,6074.8 pad.2@3226.38,6106.3 R_bt0_CH15.2 U1_CH14.A6 U1_CH15.C6 | length 869.6
  Layer8_BOT w6: R_bt0_CH15.2@3139.76,6536.42 3152.56,6536.42 3161.42,6527.56 3161.42,6509.84 3167.32,6503.94 3179.13,6503.94 ; U1_CH14.A6@3204.72,5767.72 3204.72,5777.56 3164.17,5818.12 3164.17,6007.26 3184.47,6027.56 3206.69,6027.56 3227.49,6048.35 3227.49,6073.69 pad.2@3226.38,6074.8 ; U1_CH15.C6@3204.72,6503.94 3179.13,6503.94 ; pad.2@3226.38,6106.3 3226.38,6163.39 3179.13,6210.63 3179.13,6503.94
CHN_IN_RST_CH16: pad.2@3226.38,6842.52 pad.2@3226.38,6874.02 R_bt0_CH16.2 U1_CH15.A6 U1_CH16.C6 | length 869.6
  Layer8_BOT w6: R_bt0_CH16.2@3139.76,7304.13 3152.56,7304.13 3161.42,7295.28 3161.42,7277.56 3167.32,7271.65 3179.13,7271.65 ; U1_CH15.A6@3204.72,6535.43 3204.72,6545.28 3164.17,6585.83 3164.17,6774.98 3184.47,6795.28 3206.69,6795.28 3227.49,6816.07 3227.49,6841.41 pad.2@3226.38,6842.52 ; U1_CH16.C6@3204.72,7271.65 3179.13,7271.65 ; pad.2@3226.38,6874.02 3226.38,6931.1 3179.13,6978.35 3179.13,7271.65
CHN_IN_RST_CH17: pad.2@3226.38,7610.24 pad.2@3226.38,7641.73 R_bt0_CH17.2 U1_CH16.A6 U1_CH17.C6 | length 869.6
  Layer8_BOT w6: R_bt0_CH17.2@3139.76,8071.85 3152.56,8071.85 3161.42,8062.99 3161.42,8045.28 3167.32,8039.37 3179.13,8039.37 ; U1_CH16.A6@3204.72,7303.15 3204.72,7312.99 3164.17,7353.55 3164.17,7542.69 3184.47,7562.99 3206.69,7562.99 3227.49,7583.79 3227.49,7609.13 pad.2@3226.38,7610.24 ; U1_CH17.C6@3204.72,8039.37 3179.13,8039.37 ; pad.2@3226.38,7641.73 3226.38,7698.82 3179.13,7746.06 3179.13,8039.37
CHN_IN_RST_CH18: pad.2@3226.38,8377.95 pad.2@3226.38,8409.45 R_bt0_CH18.2 U1_CH17.A6 U1_CH18.C6 | length 869.6
  Layer8_BOT w6: R_bt0_CH18.2@3139.76,8839.57 3152.56,8839.57 3161.42,8830.71 3161.42,8812.99 3167.32,8807.09 3179.13,8807.09 ; U1_CH17.A6@3204.72,8070.87 3204.72,8080.71 3164.17,8121.27 3164.17,8310.41 3184.47,8330.71 3206.69,8330.71 3227.49,8351.5 3227.49,8376.84 pad.2@3226.38,8377.95 ; U1_CH18.C6@3204.72,8807.09 3179.13,8807.09 ; pad.2@3226.38,8409.45 3226.38,8466.54 3179.13,8513.78 3179.13,8807.09
CHN_IN_RST_CH19: pad.2@3226.38,9145.67 pad.2@3994.09,4570.87 R_bt0_CH19.2 U1_CH18.A6 U1_CH19.C6 | length 9946.2
  Layer8_BOT w6: U1_CH18.A6@3204.72,8838.58 3204.72,8848.43 3164.17,8888.98 3164.17,9078.13 3184.47,9098.43 3206.69,9098.43 3227.49,9119.22 3227.49,9144.56 pad.2@3226.38,9145.67 3226.38,9200.79 3196.85,9230.32 1547.24,9230.32 1507.87,9190.94 1507.87,4496.06 1553.94,4450 2430.32,4450 2480.32,4500 3578.74,4500 3586.61,4507.87 3972.44,4507.87 3994.09,4529.53 pad.2@3994.09,4570.87 3994.09,4627.95 3946.85,4675.2 3946.85,4968.5 ; R_bt0_CH19.2@3907.48,5000.98 3920.28,5000.98 3929.13,4992.13 3929.13,4974.41 3935.04,4968.5 3946.85,4968.5 ; U1_CH19.C6@3972.44,4968.5 3946.85,4968.5
CHN_IN_RST_CH20: pad.2@3994.09,5307.09 pad.2@3994.09,5338.58 R_bt0_CH20.2 U1_CH19.A6 U1_CH20.C6 | length 869.6
  Layer8_BOT w6: R_bt0_CH20.2@3907.48,5768.7 3920.28,5768.7 3929.13,5759.84 3929.13,5742.13 3935.04,5736.22 3946.85,5736.22 ; U1_CH19.A6@3972.44,5000 3972.44,5009.84 3931.88,5050.4 3931.88,5239.54 3952.18,5259.84 3974.41,5259.84 3995.2,5280.64 3995.2,5305.98 pad.2@3994.09,5307.09 ; U1_CH20.C6@3972.44,5736.22 3946.85,5736.22 ; pad.2@3994.09,5338.58 3994.09,5395.67 3946.85,5442.91 3946.85,5736.22
CHN_IN_RST_CH21: pad.2@3994.09,6074.8 pad.2@3994.09,6106.3 R_bt0_CH21.2 U1_CH20.A6 U1_CH21.C6 | length 869.6
  Layer8_BOT w6: R_bt0_CH21.2@3907.48,6536.42 3920.28,6536.42 3929.13,6527.56 3929.13,6509.84 3935.04,6503.94 3946.85,6503.94 ; U1_CH20.A6@3972.44,5767.72 3972.44,5777.56 3931.88,5818.12 3931.88,6007.26 3952.18,6027.56 3974.41,6027.56 3995.2,6048.35 3995.2,6073.69 pad.2@3994.09,6074.8 ; U1_CH21.C6@3972.44,6503.94 3946.85,6503.94 ; pad.2@3994.09,6106.3 3994.09,6163.39 3946.85,6210.63 3946.85,6503.94
CHN_IN_RST_CH22: pad.2@3994.09,6842.52 pad.2@3994.09,6874.02 R_bt0_CH22.2 U1_CH21.A6 U1_CH22.C6 | length 869.6
  Layer8_BOT w6: R_bt0_CH22.2@3907.48,7304.13 3920.28,7304.13 3929.13,7295.28 3929.13,7277.56 3935.04,7271.65 3946.85,7271.65 ; U1_CH21.A6@3972.44,6535.43 3972.44,6545.28 3931.88,6585.83 3931.88,6774.98 3952.18,6795.28 3974.41,6795.28 3995.2,6816.07 3995.2,6841.41 pad.2@3994.09,6842.52 ; U1_CH22.C6@3972.44,7271.65 3946.85,7271.65 ; pad.2@3994.09,6874.02 3994.09,6931.1 3946.85,6978.35 3946.85,7271.65
CHN_IN_RST_CH23: pad.2@3994.09,7610.24 pad.2@3994.09,7641.73 R_bt0_CH23.2 U1_CH22.A6 U1_CH23.C6 | length 869.6
  Layer8_BOT w6: R_bt0_CH23.2@3907.48,8071.85 3920.28,8071.85 3929.13,8062.99 3929.13,8045.28 3935.04,8039.37 3946.85,8039.37 ; U1_CH22.A6@3972.44,7303.15 3972.44,7312.99 3931.88,7353.55 3931.88,7542.69 3952.18,7562.99 3974.41,7562.99 3995.2,7583.79 3995.2,7609.13 pad.2@3994.09,7610.24 ; U1_CH23.C6@3972.44,8039.37 3946.85,8039.37 ; pad.2@3994.09,7641.73 3994.09,7698.82 3946.85,7746.06 3946.85,8039.37
CHN_IN_RST_CH24: pad.2@3994.09,8377.95 pad.2@3994.09,8409.45 R_bt0_CH24.2 U1_CH23.A6 U1_CH24.C6 | length 869.6
  Layer8_BOT w6: R_bt0_CH24.2@3907.48,8839.57 3920.28,8839.57 3929.13,8830.71 3929.13,8812.99 3935.04,8807.09 3946.85,8807.09 ; U1_CH23.A6@3972.44,8070.87 3972.44,8080.71 3931.88,8121.27 3931.88,8310.41 3952.18,8330.71 3974.41,8330.71 3995.2,8351.5 3995.2,8376.84 pad.2@3994.09,8377.95 ; U1_CH24.C6@3972.44,8807.09 3946.85,8807.09 ; pad.2@3994.09,8409.45 3994.09,8466.54 3946.85,8513.78 3946.85,8807.09
CHN_OUT_BT0_CH24: pad.2@3972.44,9145.67 U1_CH24.B6 | length 397.3
  Layer8_BOT w6: U1_CH24.B6@3972.44,8822.83 3964.57,8822.83 3889.76,8897.64 3889.76,9015.75 3921.88,9047.87 3921.88,9083.3 3967.25,9128.67 3969.54,9128.67 3972.44,9131.57 pad.2@3972.44,9145.67
CHN_OUT_RST_CH24: pad.2@3994.09,9145.67 U1_CH24.A6 | length 363.6
  Layer8_BOT w6: U1_CH24.A6@3972.44,8838.58 3972.44,8848.43 3931.88,8888.98 3931.88,9078.13 3952.18,9098.43 3974.41,9098.43 3995.2,9119.22 3995.2,9144.56 pad.2@3994.09,9145.67
E5V: CN11.6 provide_Power_for_eval.1 | length 6000.7
  Layer8_BOT w60: provide_Power_for_eval.1@1070.47,190.94 1285.43,190.94 2214.57,1120.08 4218.5,1120.08 5507.48,2409.06 CN11.6@5507.48,3053.94
EN_PWR: CN11.64 U14_AVDD.1 U14_DVDD.1 | length 3303.1
  Layer1_Top w6: v11(413.39,1279.53) 413.61,1279.76 810.1,1279.76 v11(810.33,1279.98)
  Layer1_Top w10: v11(810.33,1279.98) 812.07,1281.72 1301.41,1281.72 v11(1303.15,1283.46)
  Layer8_BOT w6: U14_DVDD.1@395.67,1322.83 395.67,1287.4 403.54,1279.53 v11(413.39,1279.53) v11@417.32,1275.59 ; U14_AVDD.1@797.25,1303.15 797.25,1293.07 v11(810.33,1279.98)
  Layer8_BOT w10: v11(1303.15,1283.46) 1305.5,1285.82 1323.22,1285.82 2607.48,2570.08 CN11.64@2607.48,3053.94